# Allegro board MB1248D.brd (continued)
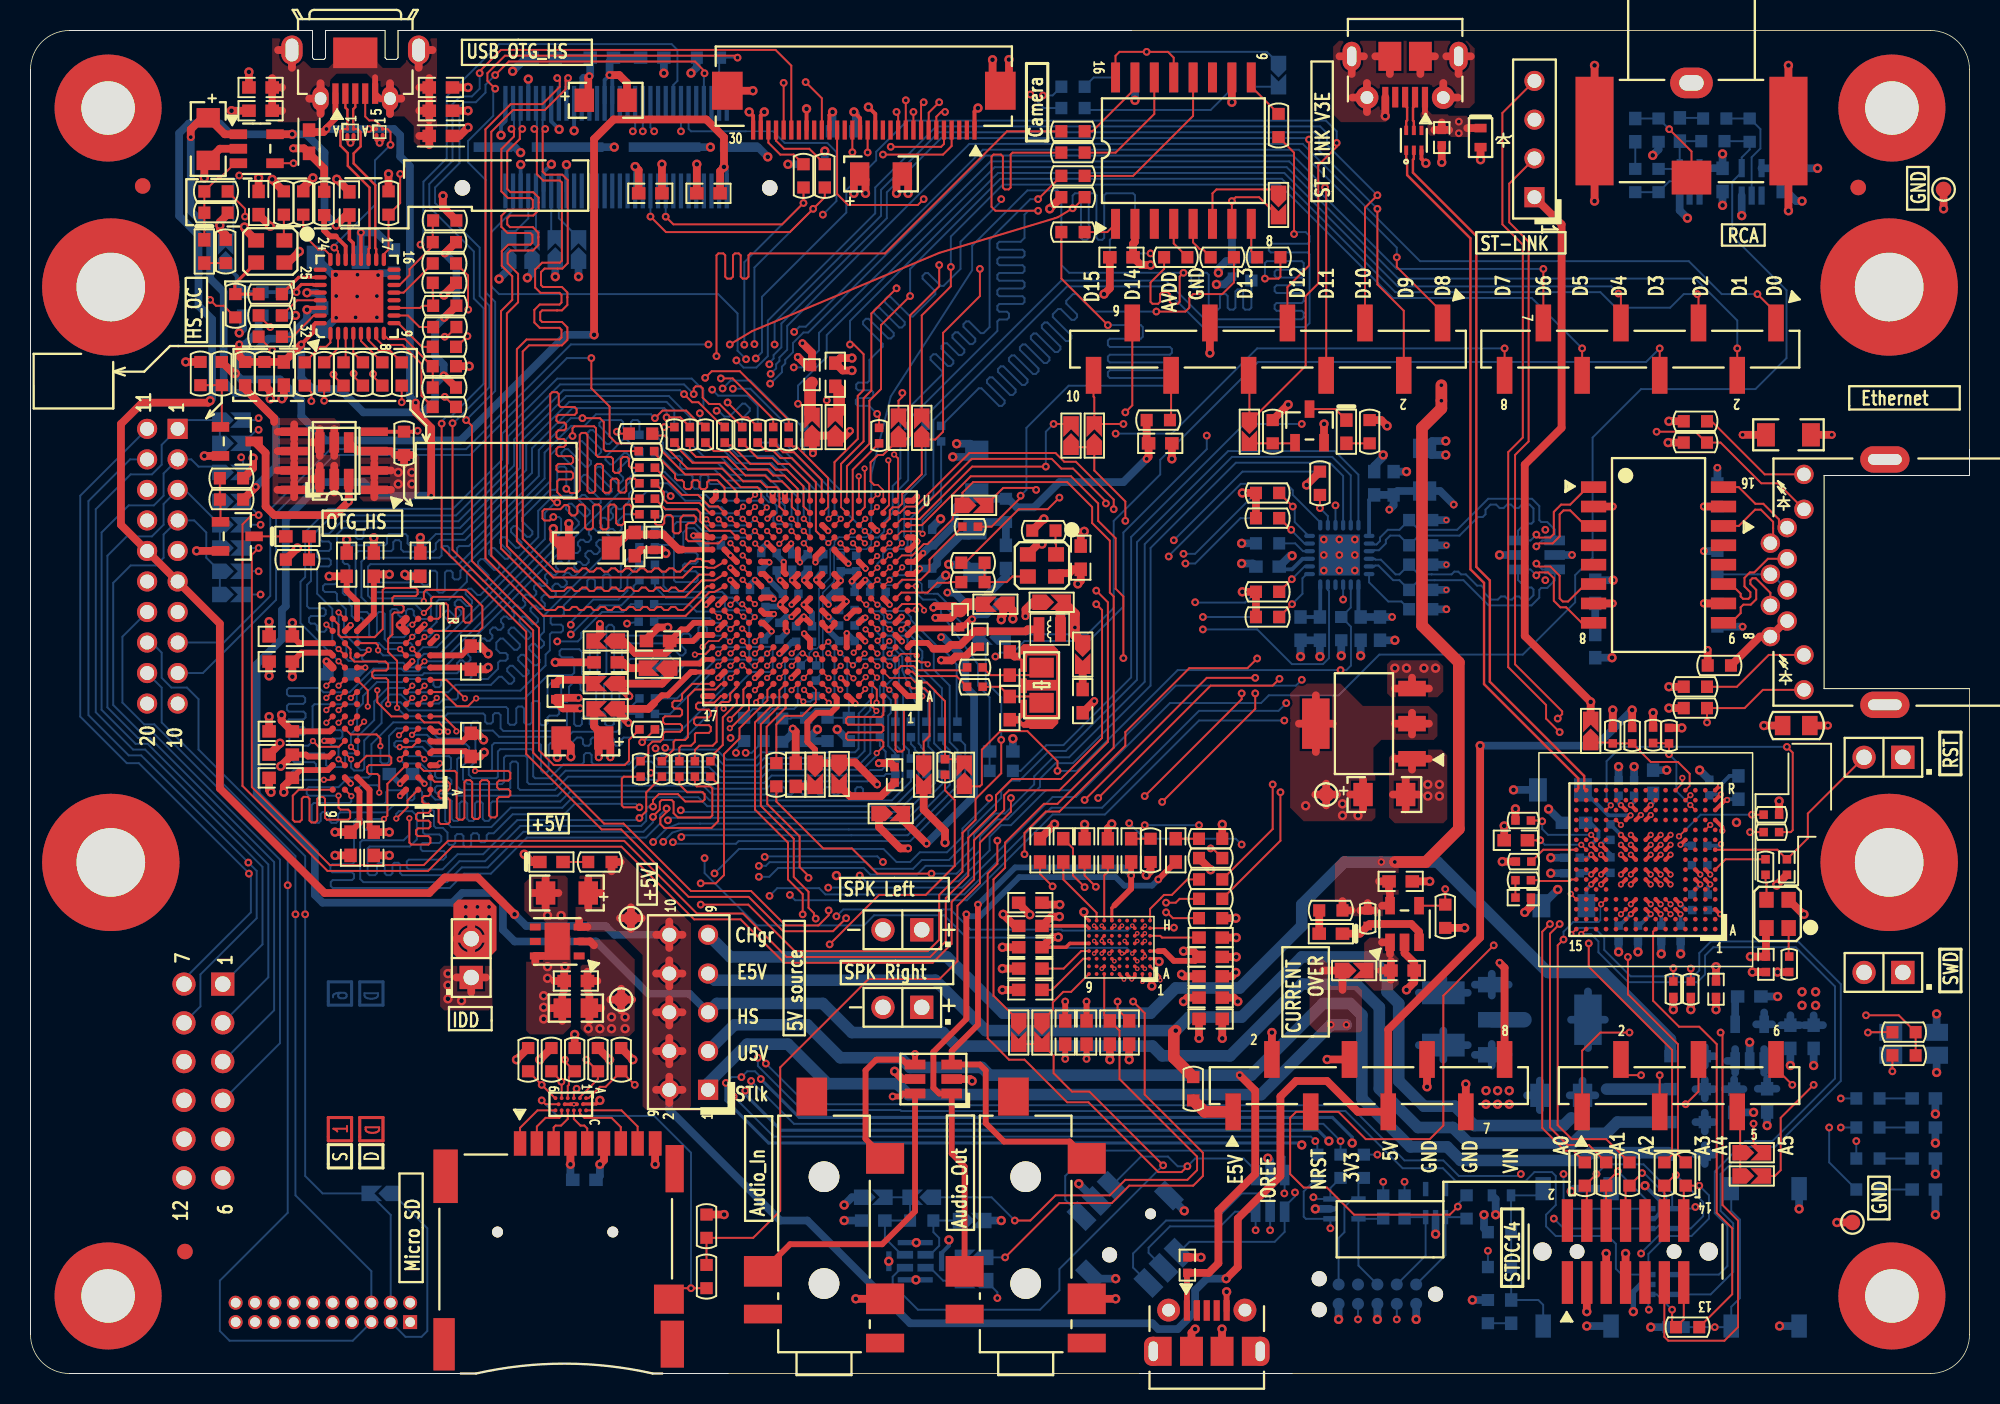
[diagram p0: board, top side]
## Placement (name value [footprint] x y rotation side) (continued)
NOREF  -  [unnamed]  10.11 7.99 270 top
NOREF#2  -  [#2]  22.83 14.23 90 top
NOREF#3  -  [#2]  4.65 228.49 0 top
NOREF#4  -  [#2]  13.54 -41.67 0 top
NOREF#5  -  [#2]  -7.67 -0.01 0 top
NOREF#6  -  [unnamed]  7.35 77.81 270 top
NOREF#7  -  [#2]  322.15 176.14 0 top
NOREF#8  -  [#2]  283.29 118.86 0 top
NOREF#9  -  [#2]  450.55 -120.41 0 top
NOREF#10  -  [#2]  20.77 14.23 90 top
NOREF#11  -  [unnamed]  119.72 77.71 270 top
NOREF#12  -  [unnamed]  7.35 77.81 90 bottom
NOREF#13  -  [unnamed]  10.11 7.99 90 bottom
NOREF#14  -  [unnamed]  119.72 77.71 90 bottom
P1  -  [FPU330ZH-BT1D3-CA]  61.83 81.48 180 top
P2  -  [SQT-110-01-F-D-RA]  8.64 52.9 90 bottom
P3  -  [SSW-106-02-F-D-RA]  12.59 25.52 90 bottom
R1  33  [0603R]  81.74 81.78 90 top
R2  33  [0603R]  68.28 81.4 0 top
R3  33[N_A]  [0603R]  68.28 80 0 top
R4  100  [0603R]  50.63 78.47 90 top
R5  100  [0603R]  52.02 78.47 90 top
R6  33[N_A]  [0603R]  68.28 78.47 0 top
R7  0  [0603R]  12.15 77.46 180 top
R8  10K  [0603R]  68.28 77.08 180 top
R9  10K  [0603R]  16.59 76.7 270 top
R10  8K06_1%  [0603R]  17.86 76.7 90 top
R11  10K  [0603R]  23.45 76.7 270 top
R12  820  [0603R]  19.23 76.67 90 top
R13  3K3  [0603R]  12.15 76.06 180 top
R14  [N_A]  [0603R]  27.13 75.55 0 top
R15  33  [0603R]  68.28 74.79 180 top
R16  0  [0603R]  27.11 74.13 0 top
R17  620  [0603R]  12.78 73.52 90 top
R18  33[N_A]  [0603R]  75.01 73.14 180 top
R19  33[N_A]  [0603R]  78.06 73.14 0 top
R20  33  [0603R]  81.11 73.14 0 top
R21  0  [0603R]  27.11 72.73 0 top
R22  [N_A]  [0603R]  27.11 71.46 0 top
R23  51  [0603R]  15.7 70.73 180 top
R24  51  [0603R]  13.42 69.97 270 top
R25  0  [0603R]  27.13 69.97 0 top
R26  0  [0603R]  15.7 69.33 180 top
R27  0  [0603R]  27.13 68.57 0 top
R28  0  [0603R]  15.7 67.93 180 top
R29  0  [0603R]  27.11 67.27 0 top
R30  [N_A]  [0603R]  27.11 66 0 top
R31  10K  [0603R]  11.13 65.52 90 top
R32  10K  [0603R]  12.53 65.52 270 top
R33  0  [0603R]  14.05 65.52 90 top
R34  [N_A]  [0603R]  15.32 65.52 90 top
R35  33  [0603R]  17.96 65.5 270 top
R36  0  [0603R]  19.23 65.5 270 top
R37  0  [0603R]  20.5 65.5 270 top
R38  0  [0603R]  21.77 65.5 270 top
R39  0  [0603R]  23.04 65.5 270 top
R40  0  [0603R]  24.31 65.5 270 top
R41  0  [0603R]  27.11 64.61 0 top
R42  0  [0603R]  27.11 63.34 0 top
R43  [N_A]  [0603R]  73.87 62.47 180 top
R44  270  [0603R]  109.05 62.4 180 top
R45  1M  [0603R]  81.36 61.71 90 top
R46  510  [0603R]  87.71 61.71 90 top
R47  0  [0603R]  39.96 61.58 0 top
R48  33  [0402R]  42.17 61.51 90 top
R49  33  [0402R]  43.18 61.51 270 top
R50  33  [0402R]  44.2 61.51 270 top
R51  33  [0402R]  45.47 61.51 270 top
R52  33  [0402R]  46.61 61.51 270 top
R53  33  [0402R]  47.63 61.51 270 top
R54  33  [0402R]  48.65 61.51 270 top
R55  33  [0402R]  49.66 61.51 270 top
R56  33  [0402R]  55.58 61.46 90 top
R57  10K  [0603R]  109.05 61 180 top
R58  1K  [0603R]  24.47 60.95 270 top
R59  33  [0402R]  40.34 60.44 0 top
R60  33  [0402R]  40.39 59.35 0 top
R61  22K  [0603R]  13.16 58.66 180 top
R62  33  [0402R]  40.39 58.33 0 top
R63  10K  [0603R]  84.45 58.33 270 top
R64  1K5  [0603R]  81.03 57.7 180 top
R65  33  [0402R]  40.39 57.32 0 top
R66  47K  [0603R]  13.16 57.27 0 top
R67  33  [0402R]  40.39 56.3 0 top
R68  10K  [0603R]  81.03 56.05 0 top
R69  33  [0402R]  61.55 55.49 180 top
R70  10K  [0603R]  66.38 55.23 0 top
R71  330  [0603R]  17.48 53.33 180 top
R72  51  [0603R]  61.73 53.13 180 top
R73  51  [0603R]  61.73 51.86 0 top
R74  10K  [0603R]  81.03 51.22 0 top
R75  10K  [0603R]  81.03 49.57 0 top
R76  75  [0603R]  110.62 46.39 0 top
R77  0  [0402R]  61.85 46.27 180 top
R78  0  [0402R]  61.85 45 180 top
R79  270  [0603R]  109.05 45 180 top
R80  10K  [0603R]  109.05 43.6 180 top
R81  0  [0805R]  115.65 42.46 180 top
R82  33  [0402R]  40.39 42.2 0 top
R83  4K7  [0402R]  106.28 41.82 90 top
R84  4K7  [0402R]  103.64 41.8 270 top
R85  2K7  [0402R]  104.91 41.8 90 top
R86  4K7  [0402R]  107.32 41.8 90 top
R87  33  [0402R]  59.9 39.74 90 top
R88  33  [0402R]  39.96 39.61 270 top
R89  33  [0402R]  41.36 39.61 270 top
R90  33  [0402R]  42.5 39.61 90 top
R91  33  [0402R]  43.52 39.61 90 top
R92  33  [0402R]  44.53 39.61 90 top
R93  33  [0603R]  48.85 39.23 90 top
R94  10K  [0402R]  114.03 36.62 180 top
R95  100  [0402R]  97.77 36.23 0 top
R96  100  [0402R]  114.03 35.47 180 top
R97  20  [0603R]  77.3 35.04 0 top
R98  20  [0603R]  73.36 34.28 270 top
R99  4K7  [0603R]  77.3 33.77 180 top
R100  3K  [0402R]  97.79 33.54 0 top
R101  1K  [0603R]  37.29 33.52 0 top
R102  100  [0402R]  113.64 33.19 90 top
R103  0  [0603R]  77.3 32.37 180 top
R104  100  [0402R]  97.77 32.32 180 top
R105  0  [0603R]  77.3 31.1 180 top
R106  820R  [0603R]  85.17 30.34 180 top
R107  10K  [0603R]  92.66 29.96 90 top
R108  [N_A]  [0603R]  77.3 29.83 0 top
R109  100K  [0402R]  87.58 29.83 90 top
R110  10K  [0402R]  115.19 26.81 90 top
R111  10K  [0402R]  107.6 25.18 90 top
R112  10K  [0402R]  108.75 25.18 90 top
R113  330  [0603R]  122.71 22.37 0 top
R114  330  [0603R]  122.71 20.84 0 top
R115  47K  [0603R]  32.59 20.56 270 top
R116  47K  [0603R]  34.12 20.56 270 top
R117  47K  [0603R]  35.64 20.56 270 top
R118  47K  [0603R]  37.17 20.56 270 top
R119  47K  [0603R]  38.69 20.56 270 top
R120  1K  [0603R]  76.15 18.66 270 top
R121  [N_A]  [0603R]  44.28 9.65 90 top
R122  0  [0603R]  44.28 6.35 270 top
R123  10K  [0603R]  44.4 86.22 180 bottom
R124  33  [0603R]  68.28 84.32 0 bottom
R125  33  [0603R]  68.28 82.92 0 bottom
R126  100  [0603R]  110.32 82.23 0 bottom
R127  1M  [0603R]  112.6 81.47 270 bottom
R128  75  [0603R]  106.63 81.47 90 bottom
R129  [NA]  [0603R]  110.19 80.75 0 bottom
R130  1K5  [0603R]  52.02 78.47 270 bottom
R131  1K5  [0603R]  50.63 78.47 270 bottom
R132  1M  [0603R]  106.63 78.17 90 bottom
R133  100  [0603R]  105.11 78.17 270 bottom
R134  33  [0603R]  71.46 73.14 0 bottom
R135  33  [0603R]  79.96 72.38 270 bottom
R136  [N_A]  [0603R]  16.46 70.09 270 bottom
R137  4K7  [0603R]  15.19 70.09 270 bottom
R138  100K  [0603R]  13.92 70.09 90 bottom
R139  33  [0402R]  59.64 61.58 90 bottom
R140  33  [0402R]  58.63 61.58 270 bottom
R141  33  [0402R]  57.49 61.58 90 bottom
R142  33  [0402R]  50.68 61.51 90 bottom
R143  33  [0402R]  49.66 61.51 270 bottom
R144  33  [0402R]  47.63 61.51 270 bottom
R145  33  [0402R]  46.61 61.51 270 bottom
R146  33  [0402R]  45.47 61.51 270 bottom
R147  33  [0402R]  44.2 61.51 270 bottom
R148  33  [0402R]  43.18 61.51 270 bottom
R149  33  [0402R]  42.17 61.51 270 bottom
R150  33  [0402R]  40.39 61.51 0 bottom
R151  33  [0402R]  40.39 60.36 0 bottom
R152  33  [0402R]  40.39 59.35 180 bottom
R153  33  [0603R]  84.45 58.33 90 bottom
R154  33  [0402R]  40.39 58.33 180 bottom
R155  0  [0603R]  81.03 57.7 180 bottom
R156  75  [0603R]  110.49 57.57 270 bottom
R157  33  [0402R]  40.39 57.32 180 bottom
R158  0  [0603R]  63.89 56.55 90 bottom
R159  33  [0402R]  40.39 56.3 180 bottom
R160  33  [0603R]  81.03 56.05 180 bottom
R161  50  [0603R]  91.06 55.92 0 bottom
R162  33  [0402R]  40.39 55.28 180 bottom
R163  10K  [0603R]  81.03 54.4 180 bottom
R164  50  [0603R]  91.06 54.27 0 bottom
R165  33  [0402R]  40.39 54.14 180 bottom
R166  75  [0603R]  110.49 53.13 270 bottom
R167  50  [0603R]  91.06 53 0 bottom
R168  33  [0402R]  40.39 53 0 bottom
R169  33  [0402R]  40.39 51.98 0 bottom
R170  50  [0603R]  91.06 51.35 0 bottom
R171  33  [0603R]  81.03 51.22 180 bottom
R172  33  [0402R]  40.34 50.41 0 bottom
R173  12K1  [0603R]  91.06 50.08 0 bottom
R174  75  [0603R]  110.49 49.7 90 bottom
R175  33  [0603R]  81.03 49.57 180 bottom
R176  33  [0402R]  40.34 49.26 180 bottom
R177  [N_A]  [0603R]  85.85 48.81 90 bottom
R178  33  [0402R]  50.96 46.39 180 bottom
R179  33  [0402R]  40.39 46.27 0 bottom
R180  33  [0402R]  40.39 45.25 0 bottom
R181  33  [0402R]  51.44 44.9 90 bottom
R182  33  [0402R]  40.39 44.24 0 bottom
R183  33  [0402R]  40.39 43.22 180 bottom
R184  33  [0402R]  60.71 42.2 90 bottom
R185  33  [0402R]  59.69 42.2 90 bottom
R186  33  [0402R]  58.68 42.2 90 bottom
R187  33  [0402R]  57.66 42.2 90 bottom
R188  33  [0402R]  56.65 42.2 90 bottom
R189  33  [0402R]  55.63 42.2 90 bottom
R190  [N_A]  [0603R]  53.6 42.2 270 bottom
R191  10K  [0603R]  52.2 42.2 90 bottom
R192  [N_A]  [0603R]  50.8 42.2 90 bottom
R193  33  [0603R]  48.01 42.2 90 bottom
R194  33  [0603R]  46.74 42.2 90 bottom
R195  33  [0402R]  40.39 42.2 0 bottom
R196  10K  [0603R]  49.23 42.15 270 bottom
R197  33  [0402R]  60.71 39.79 90 bottom
R198  33  [0402R]  59.69 39.79 90 bottom
R199  33  [0402R]  58.68 39.79 90 bottom
R200  33  [0402R]  57.66 39.79 90 bottom
R201  33  [0402R]  56.65 39.79 90 bottom
R202  0  [0603R]  63.58 39.49 0 bottom
R203  510  [0603R]  120.35 18.02 0 bottom
R204  680  [0603R]  120.35 16.12 0 bottom
R205  680  [0603R]  120.35 14.09 0 bottom
R206  22  [0603R]  87.33 13.58 90 bottom
R207  22  [0603R]  85.81 13.58 90 bottom
R208  22  [0603R]  84.28 13.58 90 bottom
R209  680  [0603R]  120.35 12.05 0 bottom
R210  22  [0603R]  94.06 10.91 90 bottom
R211  22  [0603R]  90 10.91 90 bottom
R212  22  [0603R]  88.6 10.91 90 bottom
R213  10K  [0603R]  58.37 10.02 180 bottom
R214  220K  [0603R]  96.22 9.26 180 bottom
R215  330  [0603R]  96.22 6.97 180 bottom
R216  100  [0603R]  95.46 4.05 270 bottom
R217  22  [0603R]  101.81 13.07 270 top
R218  22  [0603R]  103.21 13.07 270 top
R219  22  [0603R]  104.73 13.07 270 top
R220  22  [0603R]  107.02 13.07 270 top
R221  22  [0603R]  108.41 13.07 270 top
R222  22  [0603R]  108.54 3.04 0 top
SB1  Solder Bridge OFF  [SB_0603]  52.71 62.02 270 top
SB2  Solder Bridge ON  [SB_0603]  51.19 62.02 270 top
SB3  Solder Bridge ON  [SB_0603]  56.85 61.96 270 top
SB4  Solder Bridge ON  [SB_0603]  58.37 61.96 270 top
SB5  Solder Bridge ON  [SB_0603]  79.84 61.71 90 top
SB6  Solder Bridge ON  [SB_0603]  68.15 61.46 270 top
SB7  Solder Bridge OFF  [SB_0603]  69.68 61.46 270 top
SB8  Solder Bridge OFF  [SB_0603]  61.8 56.88 180 top
SB9  Solder Bridge ON  [SB_0603]  63.2 50.41 0 top
SB10  Solder Bridge ON  [SB_0603]  37.67 47.99 0 top
SB11  Solder Bridge ON  [SB_0603]  37.67 45.2 0 top
SB12  Solder Bridge OFF  [SB_0603]  41.1 46.22 0 top
SB13  Solder Bridge OFF  [SB_0603]  102.19 42.1 270 top
SB14  Solder Bridge OFF  [SB_0603]  52.96 39.28 90 top
SB15  Solder Bridge OFF  [SB_0603]  51.39 39.23 90 top
SB16  Solder Bridge ON  [SB_0603]  58.5 39.23 90 top
SB17  Solder Bridge OFF  [SB_0603]  61.17 39.23 270 top
SB18  Solder Bridge ON  [SB_0603]  86.7 26.4 180 top
SB19  Solder Bridge ON  [SB_0603]  68.92 47.11 90 top
SB21  Solder Bridge ON  [SB_0603]  64.72 22.34 90 top
SB22  Solder Bridge OFF  [SB_0603]  66.25 22.34 90 top
SB23  Solder Bridge ON  [SB_0603]  112.74 14.47 180 top
SB24  Solder Bridge OFF  [SB_0603]  112.74 12.94 180 top
SB25  Solder Bridge ON  [SB_0603]  81.74 85.08 90 bottom
SB26  Solder Bridge ON  [SB_0603]  35.9 73.65 270 bottom
SB27  Solder Bridge ON  [SB_0603]  34.37 73.65 270 bottom
SB28  Solder Bridge ON  [SB_0603]  32.85 73.65 270 bottom
SB29  Solder Bridge ON  [SB_0603]  31.32 73.65 270 bottom
SB30  Solder Bridge OFF  [SB_0603]  12.78 73.39 270 bottom
SB31  Solder Bridge OFF  [SB_0603]  13.16 62.47 180 bottom
SB32  Solder Bridge ON  [SB_0603]  13.16 60.95 180 bottom
SB33  Solder Bridge OFF  [SB_0603]  13.16 59.04 180 bottom
SB34  Solder Bridge ON  [SB_0603]  13.16 57.14 180 bottom
SB35  Solder Bridge OFF  [SB_0603]  13.16 55.61 180 bottom
SB36  Solder Bridge ON  [SB_0603]  13.16 54.09 180 bottom
SB37  Solder Bridge OFF  [SB_0603]  13.16 52.57 180 bottom
SB38  Solder Bridge ON  [SB_0603]  13.16 51.04 180 bottom
SB39  Solder Bridge ON  [SB_0603]  62.95 48.25 0 bottom
SB40  Solder Bridge ON  [SB_0603]  22.94 11.8 0 bottom
SB41  Solder Bridge OFF  [SB_0603]  58.37 11.55 0 bottom
SB42  Solder Bridge ON  [SB_0603]  55.2 11.55 180 bottom
SB43  Solder Bridge OFF  [SB_0603]  61.68 10.02 180 bottom
SB44  Solder Bridge OFF  [SB_0603]  61.8 7.61 0 bottom
SB45  Solder Bridge ON  [SB_0603]  61.8 6.08 0 bottom
SB46  Solder Bridge ON  [SB_0603]  66.88 50.53 180 top
SB47  Solder Bridge OFF  [SB_0603]  81.74 76.57 90 top
SB48  Solder Bridge ON  [SB_0603]  56.34 36.69 180 top
SB49  Solder Bridge OFF  [SB_0603]  37.67 43.55 0 top
T1  BSN20BK  [SOT-23]  83.77 62.09 0 top
T2  9013  [SOT-23]  13.54 61.08 270 top
T3  STT4P3LLH6[N_A]  [SOT23-6L]  19.89 59.81 0 top
T4  STS5PF30L  [SOIC8_1R27_4R9X6]  19.89 59.81 90 top
T5  9013  [SOT-23]  13.54 54.85 270 top
TP1  Ground  [TP_C40]  125.3 77.59 270 top
TP2  1V8  [TP_C40]  84.87 37.94 0 top
TP3  5V  [TP_C40]  39.32 29.83 180 top
TP4  +3V3  [TP_C40]  38.69 24.5 180 top
TP5  Ground  [TP_C40]  119.33 9.89 270 top
U1  ECMF02-2AMX6  [DFN6_0R5_1R7X1R5]  90.61 80.8 0 top
U2  STMPS2151STR  [SOT23-5]  14.81 80.25 270 top
U3  MT25QL512ABB8ESF-0SIT  [SOIC16W_1R27_10R3X10R33]  75.51 80.13 0 top
U4  USB3320C-EZK  [QFN32_0R5_5X5]  21.39 70.58 90 top
U5  KMS-1102NL  [TF_16SM_12R7X9R65]  106.63 53.63 270 top
U6  STM32H747XIH6U  [BGA265_0R8_14X14]  51.06 50.79 180 top
U7  IS42S32800G-6BLI  [FBGA90_0R8_8X13]  22.99 43.85 180 top
U8  LD1117S18TR  [SOT-223]  87.34 42.58 0 top
U9  ST-LINKV3E_SWD  [BGA176_0R65_10X10]  105.8 33.67 180 top
U10  STMPS2151STR  [SOT23-5]  90 29.45 0 top
U11  ST1L05APU33R  [DFN6_0R95_3X3]  34.5 28.31 90 top
U12  WM8994ECS_R  [BGA72_0R5_4R5X4]  71.33 27.93 180 top
U13  EMIF06-HSD03F3  [FBGA17_0R4_1R1X2R4]  35.39 17.64 270 top
U14  MT25QL512ABB8ESF-0SIT  [SOIC16W_1R27_10R3X10R33]  75.52 80.13 180 bottom
U15  74LVC1G04SE  [SOT-353]  112.73 78.08 180 bottom
U16  74LVC1G04SE  [SOT-353]  108.67 78.08 180 bottom
U17  USBLC6-4SC6  [SOT23-6]  98.63 53.63 90 bottom
U18  LAN8742A-CZ-TR  [QFN24_0R5_4X4]  85.72 53.63 90 bottom
U19  LD1117S50TR  [SOT-223]  98.86 23.18 180 bottom
U20  LDK120M33R  [SOT23-5]  112.6 21.68 180 bottom
U21  MP34DT05-A  [MP34DT01TR]  57.95 7.35 270 bottom
X1  NZ2520SB-24.00M  [OSC_4SM_2R5X2]  15.7 73.52 180 top
X2  NZ2520SB-25.00M  [OSC_4SM_2R5X2]  66.25 52.95 180 top
X3  NX3215SA-32.768KHZ-EXS00A-MU00525  [XTAL_2SM_3R2X1R5]  66.22 45.1 90 top
X4  NZ2520SB-25.00M  [OSC_4SM_2R5X2]  114.43 30.11 90 top

## Library data of the parts
B1 B2 = PB10
B3 = MT-008A
C1 C2 C4 C5 C9-C14 C23-C25 C27 C29 C30 C35 C37 C38 C41 C43-C45 C50 C51 C56 C57 C59 C65 C68 C76 C79-C81 C83 C85 C88 C89 C99 C103 C111 C112 C119-C121 C142 C147 C149 C150 = 0603C: signal model: DEFAULT_CAPACITOR_100000pF_1_2
C3 C8 C42 C86 C146 = TAN-A: signal model: DEFAULT_CAPACITOR_1e+07pF_1_2
C6 C15 C55 C66 C75 C84 C124-C126 C129 C137-C141 C153 = 0402C
C7 C36 = TAN-A: signal model: DEFAULT_CAPACITOR_4.7e+06pF_1_2
C16 C20 C40 C47-C49 = 0603C: signal model: DEFAULT_CAPACITOR_2.2e+06pF_1_2
C17 C21 C82 C127 = 1206C
C18 C28 C53 C113 C122 C123 C128 C144 C145 C148 C151 C152 = 0603C
C19 C90 C91 C93-C98 C100-C102 C104-C110 C115-C118 C130-C135 = 0402C: signal model: DEFAULT_CAPACITOR_100000pF_1_2
C22 = 0603C: signal model: DEFAULT_CAPACITOR_100000pF_2_1
C26 = 0402C: signal model: DEFAULT_CAPACITOR_4.7e+06pF_1_2
C31 C34 = 0603C: signal model: DEFAULT_CAPACITOR_1.5pF_1_2
C32 = 0603C: signal model: DEFAULT_CAPACITOR_2.2e+06pF_2_1
C33 C39 = 0402C: signal model: DEFAULT_CAPACITOR_1e+07pF_1_2
C46 C58 C64 C71 C72 = 0603C: signal model: DEFAULT_CAPACITOR_1e+06pF_1_2
C52 C61 = 0402C: signal model: DEFAULT_CAPACITOR_10pF_1_2
C54 = TAN-A: signal model: DEFAULT_CAPACITOR_4.7e+07pF_2_1
C60 C62 C63 C67 C70 C73 C74 = 0603C: signal model: DEFAULT_CAPACITOR_4.7e+06pF_1_2
C69 = 0805C: signal model: DEFAULT_CAPACITOR_1e+07pF_1_2
C77 C78 = 0603C: signal model: DEFAULT_CAPACITOR_22000pF_1_2
C87 C92 = TAN-A: signal model: DEFAULT_CAPACITOR_1e+06pF_1_2
C114 = 0603C: signal model: DEFAULT_CAPACITOR_470pF_1_2
C136 = 1206C: signal model: DEFAULT_CAPACITOR_100000pF_1_2
C143 = TAN-B
CN1 = MOLEX_47590001
CN2 CN14 = MICRO_USB_B_105017
CN3 = RCA_3SM_1TH_14X15
CN4 = HDR_1X4_2R54
CN5 = SSW-110-22-X-S-VS
CN6 CN8 = SSW-108-22-X-S-VS
CN7 = RJ45_LED_KRJ-CB4R2GYZNL_EM
CN9 = SSW-106-22-X-S-VS
CN10 CN11 = PJ3028B
CN12 = MSD_PJS008_
CN13 = FTSH-107-01-L-DV_B
CN15 = QSH-030-01-F-D-A
CN16 = TC2050-IDC-NL
CN17 = MODULE_20TH_48X29
D1 = BGA4_0R4_1X1
D2 = BGA4_0R4_0R8X0R8
D3 D10 D13 = DO_2SM_1R6X1_21
D4 D9 T3 = SOT23-6L
D5-D8 = SOD-323
D11 D12 D14 D15 = SC70-5
H1 H2 H7 H8 = HOLE_C7D3R5
H3-H6 = HOLE_C9D4R5
JP1-JP5 = SIP2
JP6 = HDR_2X5_2R54
L1 L2 L4-L8 = 0603L
L3 = LSM2_VLS2016E_S
LD1-LD9 = 0603D
LD10 = LED2_3528
P1 = FPU330ZH-BT1D3-CA
P2 = SQT-110-01-F-D-RA
P3 = SSW-106-02-F-D-RA
R1-R3 R6 R15 R18-R20 R35 R93 R153 R160 R171 R175 R193 R194 = 0603R: signal model: DEFAULT_RESISTOR_33OHM_1_2
R4 R5 R120 R126 R133 R216 = 0603R: signal model: DEFAULT_RESISTOR_100OHM_1_2
R7 R16 R21 R25-R29 R33 R36-R43 R47 R103 R105 R122 R127 R132 R155 R158 R202 = 0603R: signal model: DEFAULT_RESISTOR_0.001OHM_1_2
R8 R9 R11 R31 R32 R57 R63 R68 R70 R74 R75 R80 R123 R163 R191 R196 R213 = 0603R: signal model: DEFAULT_RESISTOR_10000OHM_1_2
R10 R14 R22 R30 R34 R45 R107 R108 R121 R129 R136 R177 R190 R192 R217-R222 = 0603R
R12 R101 = 0603R: signal model: DEFAULT_RESISTOR_820OHM_1_2
R13 = 0603R: signal model: DEFAULT_RESISTOR_3300OHM_1_2
R17 = 0603R: signal model: DEFAULT_RESISTOR_620OHM_1_2
R23 R24 R72 R73 = 0603R: signal model: DEFAULT_RESISTOR_51OHM_1_2
R44 R79 = 0603R: signal model: DEFAULT_RESISTOR_270OHM_1_2
R46 R203 = 0603R: signal model: DEFAULT_RESISTOR_510OHM_1_2
R48-R56 R59 R60 R62 R65 R67 R69 R82 R87-R92 R139-R152 R154 R157 R159 R162 R165 R168 R169 R172 R176 R178-R189 R195 R197-R201 = 0402R: signal model: DEFAULT_RESISTOR_33OHM_1_2
R58 = 0603R: signal model: DEFAULT_RESISTOR_1000OHM_1_2
R61 = 0603R: signal model: DEFAULT_RESISTOR_22000OHM_1_2
R64 R130 R131 = 0603R: signal model: DEFAULT_RESISTOR_1500OHM_1_2
R66 R115-R119 = 0603R: signal model: DEFAULT_RESISTOR_47000OHM_1_2
R71 R215 = 0603R: signal model: DEFAULT_RESISTOR_330OHM_1_2
R76 R166 R174 = 0603R: signal model: DEFAULT_RESISTOR_75.000000OHM_1_2
R77 R78 R86 R95 = 0402R: signal model: DEFAULT_RESISTOR_0.001OHM_1_2
R81 = 0805R: signal model: DEFAULT_RESISTOR_0.001OHM_2_1
R83 R109 R110 = 0402R: signal model: DEFAULT_RESISTOR_4700OHM_1_2
R84 R94 = 0402R: signal model: DEFAULT_RESISTOR_100OHM_1_2
R85 = 0402R: signal model: DEFAULT_RESISTOR_1000OHM_1_2
R96 R100 R104 = 0402R
R97 R98 = 0603R: signal model: DEFAULT_RESISTOR_20OHM_1_2
R99 R137 = 0603R: signal model: DEFAULT_RESISTOR_4700OHM_1_2
R102 = 0402R: signal model: DEFAULT_RESISTOR_10000OHM_1_2
R106 R114 R138 = 0603R: signal model: DEFAULT_RESISTOR_100000OHM_1_2
R111 = 0402R: signal model: DEFAULT_RESISTOR_100000OHM_1_2
R112 = 0402R: signal model: DEFAULT_RESISTOR_2200OHM_1_2
R113 = 0603R: signal model: DEFAULT_RESISTOR_2700OHM_1_2
R124 R125 R134 R135 = 0603R: signal model: 0603R_33[N_A]
R128 = 0603R: signal model: DEFAULT_RESISTOR_75OHM_1_2
R156 = 0603R: signal model: DEFAULT_RESISTOR_2200OHM_1_2
R161 R164 R167 R170 = 0603R: signal model: DEFAULT_RESISTOR_50OHM_1_2
R173 = 0603R: signal model: DEFAULT_RESISTOR_12100OHM_1_2
R204 R205 R209 = 0603R: signal model: DEFAULT_RESISTOR_680OHM_1_2
R206-R208 R210-R212 = 0603R: signal model: DEFAULT_RESISTOR_22OHM_1_2
R214 = 0603R: signal model: DEFAULT_RESISTOR_220000OHM_1_2
SB1-SB19 SB21-SB24 SB26-SB49 = SB_0603
SB25 = SB_0603: signal model: SB_0603_Open
T1 T2 T5 = SOT-23
T4 = SOIC8_1R27_4R9X6
TP1-TP5 = TP_C40
U1 = DFN6_0R5_1R7X1R5
U2 U10 U20 = SOT23-5
U3 U14 = SOIC16W_1R27_10R3X10R33
U4 = QFN32_0R5_5X5
U5 = TF_16SM_12R7X9R65
U6 = BGA265_0R8_14X14
U7 = FBGA90_0R8_8X13
U8 U19 = SOT-223
U9 = BGA176_0R65_10X10
U11 = DFN6_0R95_3X3
U12 = BGA72_0R5_4R5X4
U13 = FBGA17_0R4_1R1X2R4
U15 U16 = SOT-353
U17 = SOT23-6
U18 = QFN24_0R5_4X4
U21 = MP34DT01TR
X1 X2 X4 = OSC_4SM_2R5X2
X3 = XTAL_2SM_3R2X1R5

## Footprints (pads in the part's own frame, mm; a bottom-side part is the same pattern mirrored in y, then rotated)
0402C
  rect 0.559x0.559 smd: 1(-0.508,0) 2(0.508,0)
0402R
  rect 0.559x0.559 smd: 1(-0.508,0) 2(0.508,0)
0603C
  rect 0.889x0.813 smd: 1(-0.762,0) 2(0.762,0)
0603D
  rect 0.889x0.813 smd: 1(-0.762,0) 2(0.762,0)
0603L
  rect 0.889x0.813 smd: 1(-0.762,0) 2(0.762,0)
0603R
  rect 0.787x0.813 smd: 1(-0.762,0) 2(0.762,0)
0805C
  rect 1.143x1.27 smd: 1(-0.889,0) 2(0.889,0)
0805R
  rect 1.016x1.27 smd: 1(-0.889,0) 2(0.889,0)
1206C
  rect 1.168x1.524 smd: 1(-1.473,0) 2(1.473,0)
BGA4_0R4_0R8X0R8
  round 0.229 smd: A1(-0.2,0.2) A2(0.2,0.2) B1(-0.2,-0.2) B2(0.2,-0.2)
BGA4_0R4_1X1
  round 0.229 smd: A1(-0.2,0.2) A2(0.2,0.2) B1(-0.2,-0.2) B2(0.2,-0.2)
BGA72_0R5_4R5X4
  round 0.249 smd: A1(-2,1.75) A2(-1.5,1.75) A3(-1,1.75) A4(-0.5,1.75) A5(0,1.75) A6(0.5,1.75) A7(1,1.75) A8(1.5,1.75) A9(2,1.75) B1(-2,1.25) B2(-1.5,1.25) B3(-1,1.25) B4(-0.5,1.25) B5(0,1.25) B6(0.5,1.25) B7(1,1.25) B8(1.5,1.25) B9(2,1.25) C1(-2,0.75) C2(-1.5,0.75) C3(-1,0.75) C4(-0.5,0.75) C5(0,0.75) C6(0.5,0.75) C7(1,0.75) C8(1.5,0.75) C9(2,0.75) D1(-2,0.25) D2(-1.5,0.25) D3(-1,0.25) D4(-0.5,0.25) D5(0,0.25) D6(0.5,0.25) D7(1,0.25) D8(1.5,0.25) D9(2,0.25) E1(-2,-0.25) E2(-1.5,-0.25) E3(-1,-0.25) E4(-0.5,-0.25) E5(0,-0.25) E6(0.5,-0.25) E7(1,-0.25) E8(1.5,-0.25) E9(2,-0.25) F1(-2,-0.75) F2(-1.5,-0.75) F3(-1,-0.75) F4(-0.5,-0.75) F5(0,-0.75) F6(0.5,-0.75) F7(1,-0.75) F8(1.5,-0.75) F9(2,-0.75) G1(-2,-1.25) G2(-1.5,-1.25) G3(-1,-1.25) G4(-0.5,-1.25) G5(0,-1.25) G6(0.5,-1.25) G7(1,-1.25) G8(1.5,-1.25) G9(2,-1.25) H1(-2,-1.75) H2(-1.5,-1.75) H3(-1,-1.75) H4(-0.5,-1.75) H5(0,-1.75) H6(0.5,-1.75) H7(1,-1.75) H8(1.5,-1.75) H9(2,-1.75)
BGA176_0R65_10X10
  round 0.305 smd: A1(-4.55,4.55) A2(-3.9,4.55) A3(-3.25,4.55) A4(-2.6,4.55) A5(-1.95,4.55) A6(-1.3,4.55) A7(-0.65,4.55) A8(0,4.55) A9(0.65,4.55) A10(1.3,4.55) A11(1.95,4.55) A12(2.6,4.55) A13(3.25,4.55) A14(3.9,4.55) A15(4.55,4.55) B1(-4.55,3.9) B2(-3.9,3.9) B3(-3.25,3.9) B4(-2.6,3.9) B5(-1.95,3.9) B6(-1.3,3.9) B7(-0.65,3.9) B8(0,3.9) B9(0.65,3.9) B10(1.3,3.9) B11(1.95,3.9) B12(2.6,3.9) B13(3.25,3.9) B14(3.9,3.9) B15(4.55,3.9) C1(-4.55,3.25) C2(-3.9,3.25) C3(-3.25,3.25) C4(-2.6,3.25) C5(-1.95,3.25) C6(-1.3,3.25) C7(-0.65,3.25) C8(0,3.25) C9(0.65,3.25) C10(1.3,3.25) C11(1.95,3.25) C12(2.6,3.25) C13(3.25,3.25) C14(3.9,3.25) C15(4.55,3.25) D1(-4.55,2.6) D2(-3.9,2.6) D3(-3.25,2.6) D4(-2.6,2.6) D5(-1.95,2.6) D6(-1.3,2.6) D7(-0.65,2.6) D8(0,2.6) D9(0.65,2.6) D10(1.3,2.6) D11(1.95,2.6) D12(2.6,2.6) D13(3.25,2.6) D14(3.9,2.6) D15(4.55,2.6) E1(-4.55,1.95) E2(-3.9,1.95) E3(-3.25,1.95) E4(-2.6,1.95) E12(2.6,1.95) E13(3.25,1.95) E14(3.9,1.95) E15(4.55,1.95) F1(-4.55,1.3) F2(-3.9,1.3) F3(-3.25,1.3) F4(-2.6,1.3) F6(-1.3,1.3) F7(-0.65,1.3) F8(0,1.3) F9(0.65,1.3) F10(1.3,1.3) F12(2.6,1.3) F13(3.25,1.3) F14(3.9,1.3) F15(4.55,1.3) G1(-4.55,0.65) G2(-3.9,0.65) G3(-3.25,0.65) G4(-2.6,0.65) G6(-1.3,0.65) G7(-0.65,0.65) G8(0,0.65) G9(0.65,0.65) G10(1.3,0.65) G12(2.6,0.65) G13(3.25,0.65) G14(3.9,0.65) G15(4.55,0.65) H1(-4.55,0) H2(-3.9,0) H3(-3.25,0) H4(-2.6,0) H6(-1.3,0) H7(-0.65,0) H8(0,0) H9(0.65,0) H10(1.3,0) H12(2.6,0) H13(3.25,0) H14(3.9,0) H15(4.55,0) J1(-4.55,-0.65) J2(-3.9,-0.65) J3(-3.25,-0.65) J4(-2.6,-0.65) J6(-1.3,-0.65) J7(-0.65,-0.65) J8(0,-0.65) J9(0.65,-0.65) J10(1.3,-0.65) J12(2.6,-0.65) J13(3.25,-0.65) J14(3.9,-0.65) J15(4.55,-0.65) K1(-4.55,-1.3) K2(-3.9,-1.3) K3(-3.25,-1.3) K4(-2.6,-1.3) K6(-1.3,-1.3) K7(-0.65,-1.3) K8(0,-1.3) K9(0.65,-1.3) K10(1.3,-1.3) K12(2.6,-1.3) K13(3.25,-1.3) K14(3.9,-1.3) K15(4.55,-1.3) L1(-4.55,-1.95) L2(-3.9,-1.95) L3(-3.25,-1.95) L4(-2.6,-1.95) L12(2.6,-1.95) L13(3.25,-1.95) L14(3.9,-1.95) L15(4.55,-1.95) M1(-4.55,-2.6) M2(-3.9,-2.6) M3(-3.25,-2.6) M4(-2.6,-2.6) M5(-1.95,-2.6) M6(-1.3,-2.6) M7(-0.65,-2.6) M8(0,-2.6) M9(0.65,-2.6) M10(1.3,-2.6) M11(1.95,-2.6) M12(2.6,-2.6) M13(3.25,-2.6) M14(3.9,-2.6) M15(4.55,-2.6) N1(-4.55,-3.25) N2(-3.9,-3.25) N3(-3.25,-3.25) N4(-2.6,-3.25) N5(-1.95,-3.25) N6(-1.3,-3.25) N7(-0.65,-3.25) N8(0,-3.25) N9(0.65,-3.25) N10(1.3,-3.25) N11(1.95,-3.25) N12(2.6,-3.25) N13(3.25,-3.25) N14(3.9,-3.25) N15(4.55,-3.25) P1(-4.55,-3.9) P2(-3.9,-3.9) P3(-3.25,-3.9) P4(-2.6,-3.9) P5(-1.95,-3.9) P6(-1.3,-3.9) P7(-0.65,-3.9) P8(0,-3.9) P9(0.65,-3.9) P10(1.3,-3.9) P11(1.95,-3.9) P12(2.6,-3.9) P13(3.25,-3.9) P14(3.9,-3.9) P15(4.55,-3.9) R1(-4.55,-4.55) R2(-3.9,-4.55) R3(-3.25,-4.55) R4(-2.6,-4.55) R5(-1.95,-4.55) R6(-1.3,-4.55) R7(-0.65,-4.55) R8(0,-4.55) R9(0.65,-4.55) R10(1.3,-4.55) R11(1.95,-4.55) R12(2.6,-4.55) R13(3.25,-4.55) R14(3.9,-4.55) R15(4.55,-4.55)
BGA265_0R8_14X14
  round 0.406 smd: A1(-6.4,6.4) A2(-5.6,6.4) A3(-4.8,6.4) A4(-4,6.4) A5(-3.2,6.4) A6(-2.4,6.4) A7(-1.6,6.4) A8(-0.8,6.4) A9(0,6.4) A10(0.8,6.4) A11(1.6,6.4) A12(2.4,6.4) A13(3.2,6.4) A14(4,6.4) A15(4.8,6.4) A16(5.6,6.4) A17(6.4,6.4) B1(-6.4,5.6) B2(-5.6,5.6) B3(-4.8,5.6) B4(-4,5.6) B5(-3.2,5.6) B6(-2.4,5.6) B7(-1.6,5.6) B8(-0.8,5.6) B9(0,5.6) B10(0.8,5.6) B11(1.6,5.6) B12(2.4,5.6) B13(3.2,5.6) B14(4,5.6) B15(4.8,5.6) B16(5.6,5.6) B17(6.4,5.6) C1(-6.4,4.8) C2(-5.6,4.8) C3(-4.8,4.8) C4(-4,4.8) C5(-3.2,4.8) C6(-2.4,4.8) C7(-1.6,4.8) C8(-0.8,4.8) C9(0,4.8) C10(0.8,4.8) C11(1.6,4.8) C12(2.4,4.8) C13(3.2,4.8) C14(4,4.8) C15(4.8,4.8) C16(5.6,4.8) C17(6.4,4.8) D1(-6.4,4) D2(-5.6,4) D3(-4.8,4) D4(-4,4) D5(-3.2,4) D6(-2.4,4) D7(-1.6,4) D8(-0.8,4) D9(0,4) D10(0.8,4) D11(1.6,4) D12(2.4,4) D13(3.2,4) D14(4,4) D15(4.8,4) D16(5.6,4) D17(6.4,4) E1(-6.4,3.2) E2(-5.6,3.2) E3(-4.8,3.2) E4(-4,3.2) E5(-3.2,3.2) E6(-2.4,3.2) E7(-1.6,3.2) E8(-0.8,3.2) E9(0,3.2) E10(0.8,3.2) E11(1.6,3.2) E12(2.4,3.2) E13(3.2,3.2) E14(4,3.2) E15(4.8,3.2) E16(5.6,3.2) E17(6.4,3.2) F1(-6.4,2.4) F2(-5.6,2.4) F3(-4.8,2.4) F4(-4,2.4) F5(-3.2,2.4) F13(3.2,2.4) F14(4,2.4) F15(4.8,2.4) F16(5.6,2.4) F17(6.4,2.4) G1(-6.4,1.6) G2(-5.6,1.6) G3(-4.8,1.6) G4(-4,1.6) G5(-3.2,1.6) G7(-1.6,1.6) G8(-0.8,1.6) G9(0,1.6) G10(0.8,1.6) G11(1.6,1.6) G13(3.2,1.6) G14(4,1.6) G15(4.8,1.6) G16(5.6,1.6) G17(6.4,1.6) H1(-6.4,0.8) H2(-5.6,0.8) H3(-4.8,0.8) H4(-4,0.8) H5(-3.2,0.8) H7(-1.6,0.8) H8(-0.8,0.8) H9(0,0.8) H10(0.8,0.8) H11(1.6,0.8) H13(3.2,0.8) H14(4,0.8) H15(4.8,0.8) H16(5.6,0.8) H17(6.4,0.8) J1(-6.4,0) J2(-5.6,0) J3(-4.8,0) J4(-4,0) J5(-3.2,0) J7(-1.6,0) J8(-0.8,0) J9(0,0) J10(0.8,0) J11(1.6,0) J13(3.2,0) J14(4,0) J15(4.8,0) J16(5.6,0) J17(6.4,0) K1(-6.4,-0.8) K2(-5.6,-0.8) K3(-4.8,-0.8) K4(-4,-0.8) K5(-3.2,-0.8) K7(-1.6,-0.8) K8(-0.8,-0.8) K9(0,-0.8) K10(0.8,-0.8) K11(1.6,-0.8) K13(3.2,-0.8) K14(4,-0.8) K15(4.8,-0.8) K16(5.6,-0.8) K17(6.4,-0.8) L1(-6.4,-1.6) L2(-5.6,-1.6) L3(-4.8,-1.6) L4(-4,-1.6) L5(-3.2,-1.6) L7(-1.6,-1.6) L8(-0.8,-1.6) L9(0,-1.6) L10(0.8,-1.6) L11(1.6,-1.6) L13(3.2,-1.6) L14(4,-1.6) L15(4.8,-1.6) L16(5.6,-1.6) L17(6.4,-1.6) M1(-6.4,-2.4) M2(-5.6,-2.4) M3(-4.8,-2.4) M4(-4,-2.4) M5(-3.2,-2.4) M13(3.2,-2.4) M14(4,-2.4) M15(4.8,-2.4) M16(5.6,-2.4) M17(6.4,-2.4) N1(-6.4,-3.2) N2(-5.6,-3.2) N3(-4.8,-3.2) N4(-4,-3.2) N5(-3.2,-3.2) N6(-2.4,-3.2) N7(-1.6,-3.2) N8(-0.8,-3.2) N9(0,-3.2) N10(0.8,-3.2) N11(1.6,-3.2) N12(2.4,-3.2) N13(3.2,-3.2) N14(4,-3.2) N15(4.8,-3.2) N16(5.6,-3.2) N17(6.4,-3.2) P1(-6.4,-4) P2(-5.6,-4) P3(-4.8,-4) P4(-4,-4) P5(-3.2,-4) P6(-2.4,-4) P7(-1.6,-4) P8(-0.8,-4) P9(0,-4) P10(0.8,-4) P11(1.6,-4) P12(2.4,-4) P13(3.2,-4) P14(4,-4) P15(4.8,-4) P16(5.6,-4) P17(6.4,-4) R1(-6.4,-4.8) R2(-5.6,-4.8) R3(-4.8,-4.8) R4(-4,-4.8) R5(-3.2,-4.8) R6(-2.4,-4.8) R7(-1.6,-4.8) R8(-0.8,-4.8) R9(0,-4.8) R10(0.8,-4.8) R11(1.6,-4.8) R12(2.4,-4.8) R13(3.2,-4.8) R14(4,-4.8) R15(4.8,-4.8) R16(5.6,-4.8) R17(6.4,-4.8) T1(-6.4,-5.6) T2(-5.6,-5.6) T3(-4.8,-5.6) T4(-4,-5.6) T5(-3.2,-5.6) T6(-2.4,-5.6) T7(-1.6,-5.6) T8(-0.8,-5.6) T9(0,-5.6) T10(0.8,-5.6) T11(1.6,-5.6) T12(2.4,-5.6) T13(3.2,-5.6) T14(4,-5.6) T15(4.8,-5.6) T16(5.6,-5.6) T17(6.4,-5.6) U1(-6.4,-6.4) U2(-5.6,-6.4) U3(-4.8,-6.4) U4(-4,-6.4) U5(-3.2,-6.4) U6(-2.4,-6.4) U7(-1.6,-6.4) U8(-0.8,-6.4) U9(0,-6.4) U10(0.8,-6.4) U11(1.6,-6.4) U12(2.4,-6.4) U13(3.2,-6.4) U14(4,-6.4) U15(4.8,-6.4) U16(5.6,-6.4) U17(6.4,-6.4)
DFN6_0R5_1R7X1R5
  rect 0.254x0.61 smd: 1(-0.5,-0.65) 2(0,-0.65) 3(0.5,-0.65) 4(0.5,0.65) 5(0,0.65) 6(-0.5,0.65)
DFN6_0R95_3X3
  rect 0.457x0.711 smd: 1(-0.95,-1.436) 2(0,-1.436) 3(0.95,-1.436) 4(0.95,1.436) 5(0,1.436) 6(-0.95,1.436)
  rect 2.413x1.651 smd: 7(0,0)
DO_2SM_1R6X1_21
  rect 0.559x0.787 smd: 1(-0.625,0) 2(0.625,0)
FBGA17_0R4_1R1X2R4
  round 0.254 smd: A1(-0.4,1) A2(-0.4,0.6) A3(-0.4,0.2) A4(-0.4,-0.2) A5(-0.4,-0.6) A6(-0.4,-1) B1(0,0.8) B2(0,0.4) B3(0,0) B4(0,-0.4) B5(0,-0.8) C1(0.4,1) C2(0.4,0.6) C3(0.4,0.2) C4(0.4,-0.2) C5(0.4,-0.6) C6(0.4,-1)
FBGA90_0R8_8X13
  round 0.406 smd: A1(-3.2,5.6) A2(-2.4,5.6) A3(-1.6,5.6) A7(1.6,5.6) A8(2.4,5.6) A9(3.2,5.6) B1(-3.2,4.8) B2(-2.4,4.8) B3(-1.6,4.8) B7(1.6,4.8) B8(2.4,4.8) B9(3.2,4.8) C1(-3.2,4) C2(-2.4,4) C3(-1.6,4) C7(1.6,4) C8(2.4,4) C9(3.2,4) D1(-3.2,3.2) D2(-2.4,3.2) D3(-1.6,3.2) D7(1.6,3.2) D8(2.4,3.2) D9(3.2,3.2) E1(-3.2,2.4) E2(-2.4,2.4) E3(-1.6,2.4) E7(1.6,2.4) E8(2.4,2.4) E9(3.2,2.4) F1(-3.2,1.6) F2(-2.4,1.6) F3(-1.6,1.6) F7(1.6,1.6) F8(2.4,1.6) F9(3.2,1.6) G1(-3.2,0.8) G2(-2.4,0.8) G3(-1.6,0.8) G7(1.6,0.8) G8(2.4,0.8) G9(3.2,0.8) H1(-3.2,0) H2(-2.4,0) H3(-1.6,0) H7(1.6,0) H8(2.4,0) H9(3.2,0) J1(-3.2,-0.8) J2(-2.4,-0.8) J3(-1.6,-0.8) J7(1.6,-0.8) J8(2.4,-0.8) J9(3.2,-0.8) K1(-3.2,-1.6) K2(-2.4,-1.6) K3(-1.6,-1.6) K7(1.6,-1.6) K8(2.4,-1.6) K9(3.2,-1.6) L1(-3.2,-2.4) L2(-2.4,-2.4) L3(-1.6,-2.4) L7(1.6,-2.4) L8(2.4,-2.4) L9(3.2,-2.4) M1(-3.2,-3.2) M2(-2.4,-3.2) M3(-1.6,-3.2) M7(1.6,-3.2) M8(2.4,-3.2) M9(3.2,-3.2) N1(-3.2,-4) N2(-2.4,-4) N3(-1.6,-4) N7(1.6,-4) N8(2.4,-4) N9(3.2,-4) P1(-3.2,-4.8) P2(-2.4,-4.8) P3(-1.6,-4.8) P7(1.6,-4.8) P8(2.4,-4.8) P9(3.2,-4.8) R1(-3.2,-5.6) R2(-2.4,-5.6) R3(-1.6,-5.6) R7(1.6,-5.6) R8(2.4,-5.6) R9(3.2,-5.6)
FPU330ZH-BT1D3-CA
  rect 0.279x1.245 smd: 1(0,0) 2(0.5,0) 3(1,0) 4(1.5,0) 5(2,0) 6(2.5,0) 7(3,0) 8(3.5,0) 9(4,0) 10(4.5,0) 11(5,0) 12(5.5,0) 13(6,0) 14(6.5,0) 15(7,0) 16(7.5,0) 17(8,0) 18(8.5,0) 19(9,0) 20(9.5,0) 21(10,0) 22(10.5,0) 23(11,0) 24(11.5,0) 25(12,0) 26(12.5,0) 27(13,0) 28(13.5,0) 29(14,0) 30(14.5,0)
  rect 2.007x2.489 smd: 31(-1.69,-2.575) 32(16.19,-2.575)
FTSH-107-01-L-DV_B
  round 1.194 hole 1.194 unplated: (-5.445,0) (5.445,0)
  round 0.965 hole 0.965 unplated: (-3.175,0) (3.175,0)
  rect 0.737x2.794 smd: 1(-3.81,-2.03) 2(-3.81,2.03) 3(-2.54,-2.03) 4(-2.54,2.03) 5(-1.27,-2.03) 6(-1.27,2.03) 7(0,-2.03) 8(0,2.03) 9(1.27,-2.03) 10(1.27,2.03) 11(2.54,-2.03) 12(2.54,2.03) 13(3.81,-2.03) 14(3.81,2.03)
HDR_1X4_2R54
  rect 1.321x1.321 hole 0.914: 1(0,0)
  round 1.321 hole 0.914: 2(2.54,0) 3(5.08,0) 4(7.62,0)
HDR_2X5_2R54
  rect 1.321x1.321 hole 0.914: 1(0,0)
  round 1.321 hole 0.914: 2(0,2.54) 3(2.54,0) 4(2.54,2.54) 5(5.08,0) 6(5.08,2.54) 7(7.62,0) 8(7.62,2.54) 9(10.16,0) 10(10.16,2.54)
HOLE_C7D3R5
  round 7.01 hole 3.505: 1(0,0)
HOLE_C9D4R5
  round 8.992 hole 4.496: 1(0,0)
LED2_3528
  rect 1.118x1.499 smd: 1(-0.75,-1.5) 2(-0.75,1.5) 3(0.75,1.5) 4(0.75,-1.5)
LSM2_VLS2016E_S
  rect 0.711x1.6 smd: 1(-0.706,0) 2(0.706,0)
MICRO_USB_B_105017
  rect 0.406x1.346 smd: 1(-1.3,0.075) 2(-0.65,0.075) 3(0,0.075) 4(0.65,0.075) 5(1.3,0.075)
  oval 1.194x1.905 hole 0.61x1.295: 6(-3.5,-2.6) 7(3.5,-2.6)
  round 1.499 hole 0.838: 8(-2.5,0.1) 9(2.5,0.1)
  rect 1.499x1.905 smd: 10(-1,-2.6) 11(1,-2.6)
MODULE_20TH_48X29
  rect 0.914x0.914 hole 0.635: 1(0,0)
  round 0.914 hole 0.635: 2(0,1.27) 3(1.27,0) 4(1.27,1.27) 5(2.54,0) 6(2.54,1.27) 7(3.81,0) 8(3.81,1.27) 9(5.08,0) 10(5.08,1.27) 11(6.35,0) 12(6.35,1.27) 13(7.62,0) 14(7.62,1.27) 15(8.89,0) 16(8.89,1.27) 17(10.16,0) 18(10.16,1.27) 19(11.43,0) 20(11.43,1.27)
MOLEX_47590001
  rect 0.406x1.346 smd: 1(1.3,0) 2(0.65,0) 3(0,0) 4(-0.65,0) 5(-1.3,0)
  oval 1.067x1.6 hole 0.762x0.838: 6(2.275,0.325) 7(-2.275,0.325)
  oval 1.397x1.905 hole 0.838x1.499: 8(-4.15,-2.855) 9(4.15,-2.855)
  rect 2.896x2.007 smd: 10(0,-2.675)
MP34DT01TR
  rect 0.508x1.067 smd: 1(-0.425,0.675) 2(-0.425,-0.675) 3(0.425,-0.675) 4(0.425,0.675)
  round 0.152 smd: 5(-0.025,-1.753)
MSD_PJS008_
  round 0.711 hole 0.711 unplated: (0,0) (7.55,0)
  rect 0.813x1.6 smd: 1(1.475,5.8) 2(2.575,5.8) 3(3.675,5.8) 4(4.775,5.8) 5(5.875,5.8) 6(6.975,5.8) 7(8.075,5.8) 8(9.175,5.8)
  rect 0.838x1.6 smd: 9(10.325,5.8)
  rect 1.956x1.905 smd: 10(11.225,-4.4)
  rect 1.524x3.073 smd: 11(11.45,-7.35)
  rect 1.397x3.429 smd: 12(-3.503,-7.357)
  rect 1.6x3.505 smd: 13(-3.4,3.65)
  rect 1.194x3.099 smd: 14(11.6,4.15)
MT-008A
  round 0.711 hole 0.711 unplated: (-1.9,0)
  round 0.991 hole 0.991 unplated: (1.9,0)
  rect 1.016x1.778 smd: 1(-1.4,-3.1) 2(0,-3.1) 3(1.4,-3.1) 4(1.4,3.1) 5(0,3.1) 6(-1.4,3.1) 7(-3.6,0) 8(3.7,0)
OSC_4SM_2R5X2
  rect 1.041x0.94 smd: 1(-0.925,-0.725) 2(0.925,-0.725) 3(0.925,0.725) 4(-0.925,0.725)
PB10
  rect 1.524x1.016 smd: 1(-4.5,-2.223) 2(-4.5,2.223) 3(4.5,2.223) 4(4.5,-2.223)
PJ3028B
  round 2.007 hole 2.007 unplated: (0,0) (7,0)
  rect 1.219x2.489 smd: 2(-3.9,-4) 7(-2,4)
  rect 2.007x2.489 smd: 3(-1,-4) 4(0.8,4) 6(8.2,-4)
  rect 2.489x2.007 smd: 5(12.25,0.8)
QFN24_0R5_4X4
  oval 0.711x0.279 smd: 1(-1.95,1.25) 2(-1.95,0.75) 3(-1.95,0.25) 4(-1.95,-0.25) 5(-1.95,-0.75) 6(-1.95,-1.25) 13(1.95,-1.25) 14(1.95,-0.75) 15(1.95,-0.25) 16(1.95,0.25) 17(1.95,0.75) 18(1.95,1.25)
  oval 0.279x0.711 smd: 7(-1.25,-1.95) 8(-0.75,-1.95) 9(-0.25,-1.95) 10(0.25,-1.95) 11(0.75,-1.95) 12(1.25,-1.95) 19(1.25,1.95) 20(0.75,1.95) 21(0.25,1.95) 22(-0.25,1.95) 23(-0.75,1.95) 24(-1.25,1.95)
  rect 2.692x2.692 smd: 25(0,0)
QFN32_0R5_5X5
  oval 0.864x0.279 smd: 1(-2.42,1.75) 2(-2.42,1.25) 3(-2.42,0.75) 4(-2.42,0.25) 5(-2.42,-0.25) 6(-2.42,-0.75) 7(-2.42,-1.25) 8(-2.42,-1.75) 17(2.42,-1.75) 18(2.42,-1.25) 19(2.42,-0.75) 20(2.42,-0.25) 21(2.42,0.25) 22(2.42,0.75) 23(2.42,1.25) 24(2.42,1.75)
  oval 0.279x0.864 smd: 9(-1.75,-2.42) 10(-1.25,-2.42) 11(-0.75,-2.42) 12(-0.25,-2.42) 13(0.25,-2.42) 14(0.75,-2.42) 15(1.25,-2.42) 16(1.75,-2.42) 25(1.75,2.42) 26(1.25,2.42) 27(0.75,2.42) 28(0.25,2.42) 29(-0.25,2.42) 30(-0.75,2.42) 31(-1.25,2.42) 32(-1.75,2.42)
  rect 3.429x3.429 smd: 33(0,0)
